# KiCad board SparkFun_NEO-F10N_panelized.kicad_pcb (continued)
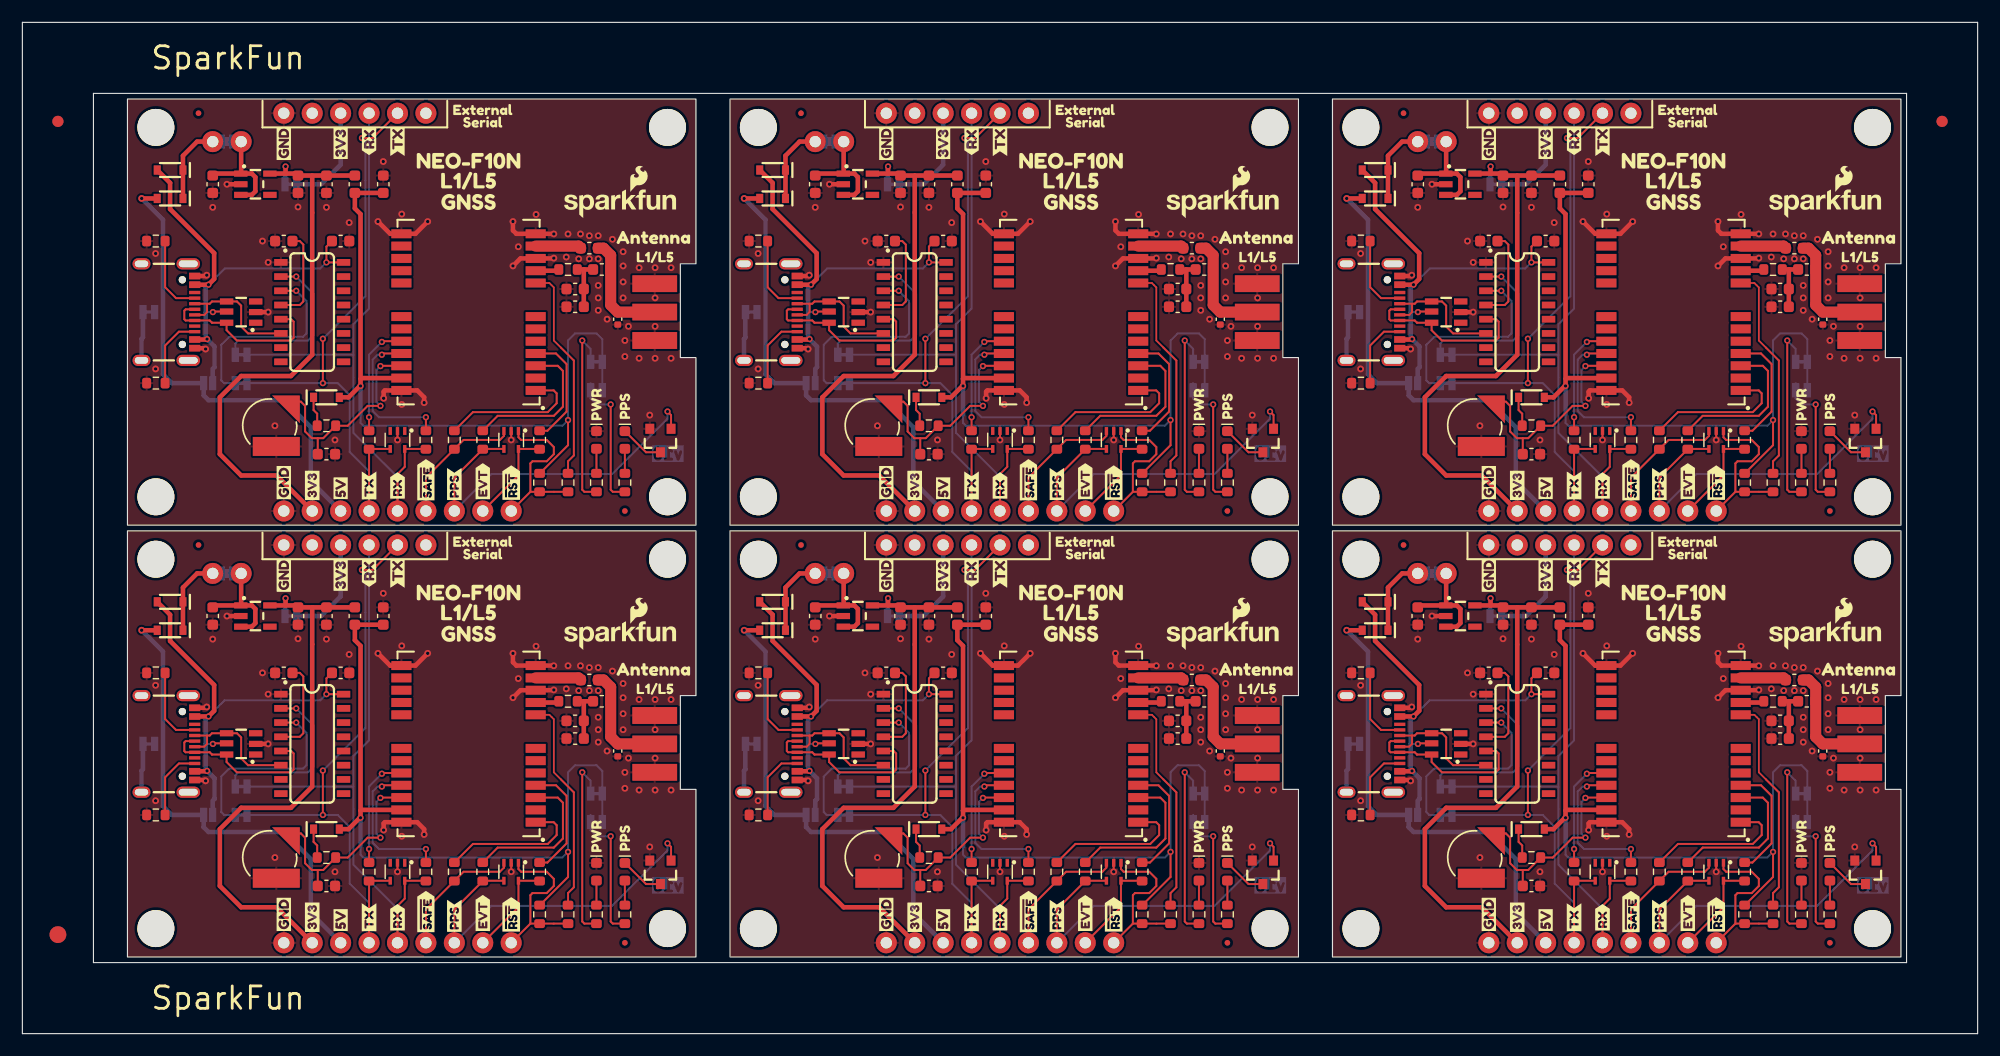
[diagram p0: board, top side]
## Routing (per net, layer and track width the routed paths; a pad name or vN(x,y) marks a point on that pad's centre or on a via; arc(x,y) is an arc through that point) (continued)
VCC: length 57.5
  Top w0.406: U2#3.1 71.02,76.88 C1#5.1 ; U2#3.1 74.34,76.88 74.66,76.56 74.66,75.3 74.34,74.98 U2#3.3 ; U2#3.1 73.39,76.91 JP5#5.2 ; JP5#4.2 127.23,38.31 U2#2.1 ; U2#6.1 20.5,38.28 20.82,37.97 20.82,36.69 20.5,36.38 U2#6.3 ; U2#6.1 19.55,38.31 JP5#6.2 ; U2#6.1 17.18,38.28 C1#6.1 ; U2#2.3 128.18,36.38 128.5,36.69 128.5,37.97 128.18,38.28 U2#2.1 ; C1#4.1 124.86,76.88 U2#5.1 ; U2#5.1 128.18,76.88 128.5,76.56 128.5,75.3 128.18,74.98 U2#5.3 ; U2#5.1 127.23,76.91 JP5#2.2 ; U2#4.1 20.5,76.88 20.82,76.56 20.82,75.3 20.5,74.98 U2#4.3 ; U2#4.1 19.55,76.91 JP5.2 ; U2#4.1 17.18,76.88 C1.1 ; U2#2.1 124.86,38.28 C1#3.1 ; U2.1 71.02,38.28 C1#2.1 ; U2.1 73.39,38.31 JP5#3.2 ; U2.1 74.34,38.28 74.66,37.97 74.66,36.69 74.34,36.38 U2.3
VCC_RF: length 11.7
  Top w0.406: U3.9 101.51,29.6 101.62,29.71 ; 101.62,68.31 101.51,68.2 U3#3.9 ; U3#6.9 47.67,29.6 47.78,29.71 ; U3#4.9 155.35,29.6 155.46,29.71 ; U3#5.9 155.35,68.2 155.46,68.31 ; U3#2.9 47.67,68.2 47.78,68.31
/D+: length 92.8
  Top w0.178: U8#6.5 24.02,25.26 24.24,25.05 24.24,23.61 23.99,23.36 19.17,23.36 18.25,24.28 U1#6.6 16.94,24.95 16.74,25.15 J1.B6 14.58,25.15 14.47,25.26 14.47,26.03 14.59,26.15 J1.A6 ; U8.5 131.7,63.86 131.92,63.65 131.92,62.21 131.67,61.96 126.85,61.96 125.93,62.88 U1#2.6 124.62,63.55 124.42,63.75 J1#6.B6 122.26,63.75 122.15,63.86 122.15,64.63 122.27,64.75 J1#6.A6 ; U8#4.5 77.86,25.26 78.08,25.05 78.08,23.61 77.83,23.36 73.01,23.36 72.09,24.28 U1#3.6 70.78,24.95 70.58,25.15 J1#2.B6 68.42,25.15 68.31,25.26 68.31,26.03 68.43,26.15 J1#2.A6 ; J1#4.A6 122.27,26.15 122.15,26.03 122.15,25.26 122.26,25.15 J1#4.B6 124.42,25.15 124.62,24.95 U1#5.6 125.93,24.28 126.85,23.36 131.67,23.36 131.92,23.61 131.92,25.05 131.7,25.26 U8#3.5 ; U8#2.5 77.86,63.86 78.08,63.65 78.08,62.21 77.83,61.96 73.01,61.96 72.09,62.88 U1#4.6 70.78,63.55 70.58,63.75 J1#3.B6 68.42,63.75 68.31,63.86 68.31,64.63 68.43,64.75 J1#3.A6 ; U8#5.5 24.02,63.86 24.24,63.65 24.24,62.21 23.99,61.96 19.17,61.96 18.25,62.88 U1.6 16.94,63.55 16.74,63.75 J1#5.B6 14.58,63.75 14.47,63.86 14.47,64.63 14.59,64.75 J1#5.A6
/D-: length 72.1
  Top w0.178: J1#6.A7 123.93,64.25 124.18,64.5 124.18,65.25 ; J1#3.B7 70.34,65.25 ; 70.34,65.25 70.58,65.25 70.78,65.45 U1#4.4 73.02,65.45 73.39,65.08 73.39,63.21 74,62.59 U8#2.6 ; 70.34,65.25 70.34,64.5 70.09,64.25 J1#3.A7 ; J1#4.A7 123.93,25.65 124.18,25.9 124.18,26.65 ; J1#2.A7 70.09,25.65 70.34,25.9 70.34,26.65 ; 124.18,65.25 124.42,65.25 124.62,65.45 U1#2.4 126.86,65.45 127.23,65.08 127.23,63.21 127.84,62.59 U8.6 ; 124.18,65.25 J1#6.B7 ; J1#4.B7 124.18,26.65 ; 124.18,26.65 124.42,26.65 124.62,26.85 U1#5.4 126.86,26.85 127.23,26.48 127.23,24.61 127.84,24 U8#3.6 ; U8#4.6 74,24 73.39,24.61 73.39,26.48 73.02,26.85 U1#3.4 70.78,26.85 70.58,26.65 70.34,26.65 ; 70.34,26.65 J1#2.B7 ; U8#5.6 20.16,62.59 19.55,63.21 19.55,65.08 19.18,65.45 U1.4 16.94,65.45 16.74,65.25 16.5,65.25 ; 16.5,65.25 16.5,64.5 16.25,64.25 J1#5.A7 ; 16.5,65.25 J1#5.B7 ; U8#6.6 20.16,24 19.55,24.61 19.55,26.48 19.18,26.85 U1#6.4 16.94,26.85 16.74,26.65 16.5,26.65 ; J1.B7 16.5,26.65 ; 16.5,26.65 16.5,25.9 16.25,25.65 J1.A7
ANT_IN: length 24.6
  Top w0.991: C7#3.2 157.38,31.8 U3#4.11 ; U3#6.11 49.7,31.8 C7#6.2 ; U3#3.11 103.54,70.4 C7#2.2 ; U3#5.11 157.38,70.4 C7#4.2 ; C7#5.2 103.54,31.8 U3.11 ; U3#2.11 49.7,70.4 C7.2
EVENT: length 52.6
  Top w0.178: R31#5.2 153.87,13.67 D3#3.5 152.01,11.31 J2#6.2 ; R31#6.2 46.19,13.67 D3#6.5 44.33,11.31 J2.2 ; J2#3.2 152.01,49.91 D3#5.5 153.87,52.27 153.9,52.25 ; J2#4.2 44.33,49.91 D3#4.5 46.19,52.27 46.22,52.25 ; 100.06,52.25 100.03,52.27 D3.5 98.17,49.91 J2#2.2 ; J2#5.2 98.17,11.31 D3#2.5 100.03,13.67 R31.2
PPS: length 199.5
  Top w0.178: Q1#4.1 111.8,55.3 v2(111.49,55.61) ; D3#4.4 41.16,52.27 38.6,49.7 J2#4.3 ; 57.96,54.07 57.96,55.3 v2(57.65,55.61) ; J2.3 38.6,11.1 R30#6.2 41.16,13.67 D3#6.4 ; v2(57.65,17.01) 57.96,16.69 57.96,15.47 ; v2(165.33,55.61) 165.64,55.3 165.64,54.07 ; D3#3.4 148.84,13.67 R30#5.2 146.28,11.1 J2#6.3 ; v2(111.49,17.01) 111.8,16.69 Q1.1 ; D3.4 95,52.27 92.44,49.7 J2#2.3 ; J2#3.3 146.28,49.7 148.84,52.27 D3#5.4 ; 165.64,15.47 165.64,16.69 v2(165.33,17.01) ; D3#2.4 95,13.67 R30#2.2 92.44,11.1 J2#5.3
  Bottom w0.178: v2(165.33,17.01) 165.33,16.38 160.38,11.42 149.58,11.42 J2#6.3 ; v2(57.65,17.01) 57.65,16.38 52.7,11.42 41.9,11.42 J2.3 ; v2(111.49,17.01) 111.49,16.38 106.54,11.42 95.74,11.42 J2#5.3 ; v2(165.33,55.61) 165.33,54.97 160.38,50.02 149.58,50.02 J2#3.3 ; J2#2.3 95.74,50.02 106.54,50.02 111.49,54.97 v2(111.49,55.61) ; J2#4.3 41.9,50.02 52.7,50.02 57.65,54.97 v2(57.65,55.61)
RXD: length 330
  Top w0.178: J2#4.5 33.52,50.02 34.17,50.67 D2#2.5 36.03,52.27 36.06,52.25 ; J2#5.5 87.36,11.42 88.01,12.07 D2#4.5 89.87,13.67 R16#4.2 ; J2#2.5 87.36,50.02 88.01,50.67 D2#3.5 89.87,52.27 89.9,52.25 ; J2.5 33.52,11.42 34.17,12.07 D2.5 36.03,13.67 R16#6.2 ; 143.74,52.25 143.71,52.27 D2#6.5 141.85,50.67 141.2,50.02 J2#3.5 ; J2#6.5 141.2,11.42 141.85,12.07 D2#5.5 143.71,13.67 R16.2
  Bottom w0.178: 83.42,60.69 83.42,63.42 84.82,64.82 J4#4.3 ; 83.42,60.69 JP1#3.2 ; 83.42,60.69 83.42,53.7 87.36,49.77 J2#2.5 ; J4#6.3 30.98,26.22 29.58,24.82 29.58,22.09 ; J2#3.5 141.2,49.77 137.26,53.7 137.26,60.69 ; J2#4.5 33.52,49.77 29.58,53.7 29.58,60.69 ; JP1.2 137.26,22.09 ; 137.26,22.09 137.26,24.82 138.66,26.22 J4#5.3 ; 137.26,22.09 137.26,15.1 141.2,11.17 J2#6.5 ; 83.42,22.09 83.42,15.1 87.36,11.17 J2#5.5 ; 83.42,22.09 83.42,24.82 84.82,26.22 J4#3.3 ; 83.42,22.09 JP1#4.2 ; 29.58,60.69 29.58,63.42 30.98,64.82 J4#2.3 ; 29.58,60.69 JP1#2.2 ; JP1#5.2 137.26,60.69 ; 137.26,60.69 137.26,63.42 138.66,64.82 J4.3 ; 29.58,22.09 JP1#6.2 ; 29.58,22.09 29.58,15.1 33.52,11.17 J2.5
TXD: length 335
  Top w0.178: v2(138.02,80.06) 138.98,80.06 J4.2 ; J2#2.6 84.82,52.25 84.84,52.27 D2#3.4 ; J2.6 R15.2 31,13.67 D2.4 ; v2(30.34,80.06) 31.3,80.06 J4#2.2 ; D2#4.4 84.84,13.67 R15#6.2 J2#5.6 ; v2(26.85,23.52) v2(26.85,19.55) ; v2(80.69,62.12) v2(80.69,58.15) ; J2#6.6 R15#3.2 138.68,13.67 D2#5.4 ; J4#6.2 31.3,41.46 v2(30.34,41.46) ; v2(84.18,41.46) 85.14,41.46 J4#3.2 ; v2(80.69,23.52) v2(80.69,19.55) ; J2#4.6 30.98,52.25 31,52.27 D2#2.4 ; D2#6.4 138.68,52.27 138.66,52.25 J2#3.6 ; v2(138.02,41.46) 138.98,41.46 J4#5.2 ; v2(84.18,80.06) 85.14,80.06 J4#4.2 ; v2(134.53,23.52) v2(134.53,19.55) ; v2(26.85,62.12) v2(26.85,58.15) ; v2(134.53,62.12) v2(134.53,58.15)
  Bottom w0.178: v2(84.18,80.06) 84.49,79.75 84.49,65.92 v2(80.69,62.12) ; v2(30.34,41.46) 30.65,41.15 30.65,27.32 v2(26.85,23.52) ; JP4.2 82.03,58.15 83.09,57.08 83.09,52 84.82,50.28 J2#2.6 ; v2(138.02,80.06) 138.33,79.75 138.33,65.92 v2(134.53,62.12) ; JP4#4.2 135.87,19.55 136.93,18.48 136.93,13.4 138.66,11.68 J2#6.6 ; v2(138.02,41.46) 138.33,41.15 138.33,27.32 v2(134.53,23.52) ; J2#5.6 84.82,11.68 83.09,13.4 83.09,18.48 82.03,19.55 JP4#2.2 ; v2(26.85,62.12) 30.65,65.92 30.65,79.75 v2(30.34,80.06) ; v2(84.18,41.46) 84.49,41.15 84.49,27.32 v2(80.69,23.52) ; JP4#5.2 135.87,58.15 136.93,57.08 136.93,52 138.66,50.28 J2#3.6 ; J2#4.6 30.98,50.28 29.25,52 29.25,57.08 28.19,58.15 JP4#3.2 ; JP4#6.2 28.19,19.55 29.25,18.48 29.25,13.4 30.98,11.68 J2.6
V_BCKP: length 113.5
  Top w0.178: 80.25,14.63 80.72,14.63 R7#3.2 82.91,15.74 84.69,17.52 v2(85.84,17.52) ; 80.25,14.63 80.23,14.62 C3#4.1 ; 80.25,14.63 79.71,14.63 79.1,15.23 79.1,17.52 78.73,17.89 BT1#2.+ ; C3.1 26.39,53.22 26.41,53.23 ; 134.09,53.23 134.56,53.23 R7.2 136.75,54.34 138.53,56.12 v2(139.68,56.12) ; 134.09,53.23 133.55,53.23 132.94,53.83 132.94,56.12 132.57,56.49 BT1#4.+ ; 134.09,53.23 134.07,53.22 C3#5.1 ; 26.41,53.23 26.88,53.23 R7#2.2 29.07,54.34 30.85,56.12 v2(32,56.12) ; 26.41,53.23 25.87,53.23 25.26,53.83 25.26,56.12 24.89,56.49 BT1#5.+ ; U3#5.22 139.7,59.7 v2(139.68,59.67) ; 134.09,14.63 134.56,14.63 R7#5.2 136.75,15.74 138.53,17.52 v2(139.68,17.52) ; 134.09,14.63 133.55,14.63 132.94,15.23 132.94,17.52 132.57,17.89 BT1.+ ; 134.09,14.63 134.07,14.62 C3#2.1 ; U3.22 85.86,21.1 v2(85.84,21.07) ; U3#3.22 85.86,59.7 v2(85.84,59.67) ; C3#3.1 80.23,53.22 80.25,53.23 ; v2(139.68,21.07) 139.7,21.1 U3#4.22 ; v2(32,59.67) 32.02,59.7 U3#2.22 ; 26.41,14.63 26.39,14.62 C3#6.1 ; 26.41,14.63 26.88,14.63 R7#6.2 29.07,15.74 30.85,17.52 v2(32,17.52) ; 26.41,14.63 25.87,14.63 25.26,15.23 25.26,17.52 24.89,17.89 BT1#6.+ ; v2(32,21.07) 32.02,21.1 U3#6.22 ; 80.25,53.23 79.71,53.23 79.1,53.83 79.1,56.12 78.73,56.49 BT1#3.+ ; 80.25,53.23 80.72,53.23 R7#4.2 82.91,54.34 84.69,56.12 v2(85.84,56.12)
  Bottom w0.178: v2(32,17.52) 31.64,17.87 31.64,20.72 v2(32,21.07) ; v2(85.84,56.12) 85.48,56.47 85.48,59.32 v2(85.84,59.67) ; v2(32,56.12) 31.64,56.47 31.64,59.32 v2(32,59.67) ; v2(139.68,59.67) 139.32,59.32 139.32,56.47 v2(139.68,56.12) ; v2(139.68,17.52) 139.32,17.87 139.32,20.72 v2(139.68,21.07) ; v2(85.84,17.52) 85.48,17.87 85.48,20.72 v2(85.84,21.07)
~{RESET}: length 92.9
  Top w0.178: 153.07,48.44 R12#2.2 R34#3.1 ; 153.07,48.44 153.07,50.97 153.26,51.17 154.53,51.17 155.17,51.8 155.17,52.44 154.53,53.07 152.25,53.07 152.01,53.31 D3#5.1 ; 153.07,48.44 J2#3.1 ; 99.23,9.84 R12#3.2 R34#6.1 ; 99.23,9.84 99.23,12.38 99.42,12.56 100.69,12.56 101.33,13.2 101.33,13.84 100.69,14.47 98.41,14.47 98.17,14.71 D3#2.1 ; 99.23,9.84 J2#5.1 ; 45.39,48.44 R12#6.2 R34#4.1 ; 45.39,48.44 45.39,50.97 45.58,51.17 46.85,51.17 47.49,51.8 47.49,52.44 46.85,53.07 44.57,53.07 44.33,53.31 D3#4.1 ; 45.39,48.44 J2#4.1 ; R34#2.1 R12.2 45.39,9.84 ; D3#3.1 152.01,14.71 152.25,14.47 154.53,14.47 155.17,13.84 155.17,13.2 154.53,12.56 153.26,12.56 153.07,12.38 153.07,9.84 ; D3.1 98.17,53.31 98.41,53.07 100.69,53.07 101.33,52.44 101.33,51.8 100.69,51.17 99.42,51.17 99.23,50.97 99.23,48.44 ; 99.23,48.44 J2#2.1 ; 99.23,48.44 R12#5.2 R34.1 ; J2.1 45.39,9.84 ; 45.39,9.84 45.39,12.38 45.58,12.56 46.85,12.56 47.49,13.2 47.49,13.84 46.85,14.47 44.57,14.47 44.33,14.71 D3#6.1 ; 153.07,9.84 J2#6.1 ; 153.07,9.84 R12#4.2 R34#5.1
~{SAFEBOOT}: length 71.6
  Top w0.178: J2#5.4 89.9,11.1 R29#5.2 93.26,14.47 96.5,14.47 96.87,14.84 D3#2.3 ; J2#2.4 89.9,49.7 93.26,53.07 96.5,53.07 96.87,53.44 D3.3 ; D3#4.3 43.03,53.44 42.66,53.07 39.42,53.07 36.06,49.7 J2#4.4 ; J2.4 36.06,11.1 R29#2.2 39.42,14.47 42.66,14.47 43.03,14.84 D3#6.3 ; J2#3.4 143.74,49.7 147.1,53.07 150.34,53.07 150.71,53.44 D3#5.3 ; D3#3.3 150.71,14.84 150.34,14.47 147.1,14.47 R29#3.2 143.74,11.1 J2#6.4
Net-(C4-Pad1): length 29.5
  Top w0.406: 104.03,29.71 104.01,29.69 C6#3.1 C4#3.1 ; 104.03,29.71 103.27,29.71 ; 104.03,29.71 L1#5.1 ; 50.19,68.31 L1.1 ; 50.19,68.31 50.17,68.29 C6.1 C4#2.1 ; 50.19,68.31 49.43,68.31 ; C4#4.1 C6#4.1 104.01,68.29 104.03,68.31 ; C4#5.1 C6#5.1 157.85,68.29 157.87,68.31 ; 104.03,68.31 L1#4.1 ; 104.03,68.31 103.27,68.31 ; 50.19,29.71 L1#6.1 ; 50.19,29.71 50.17,29.69 C6#6.1 C4#6.1 ; 50.19,29.71 49.43,29.71 ; C4.1 C6#2.1 157.85,29.69 157.87,29.71 ; 157.87,29.71 L1#3.1 ; 157.87,29.71 157.11,29.71 ; 157.11,68.31 157.87,68.31 ; 157.87,68.31 L1#2.1
Net-(D1-A): length 13.2
  Top w0.178: D1#2.2 R4#5.2 ; D1#4.2 R4#6.2 ; D1#5.2 R4#4.2 ; D1.2 51.3,11.49 ; D1#3.2 158.98,11.49 ; D1#6.2 105.14,11.49
Net-(D4-A): length 13.2
  Top w0.178: D4#5.2 161.52,11.49 ; D4#4.2 107.68,11.49 ; D4#6.2 R5#6.2 ; D4#3.2 R5#5.2 ; D4#2.2 R5#3.2 ; D4.2 53.84,11.49
Net-(D4-K): length 23.7
  Top w0.178: D4#2.1 55.73,51.97 Q1#3.3 ; D4#4.1 109.57,13.37 Q1.3 ; Q1#4.3 109.57,51.97 D4#6.1 ; D4#5.1 163.41,13.37 Q1#5.3 ; D4#3.1 163.41,51.97 Q1#2.3 ; Q1#6.3 55.73,13.37 D4.1
Net-(D5-PadC): length 16
  Top w0.178: D5.C 26.02,17.14 26.34,16.82 26.34,15.74 ; D5#4.C 26.02,55.74 26.34,55.42 26.34,54.34 ; R7.1 134.02,55.42 133.7,55.74 D5#5.C ; R7#4.1 80.18,55.42 79.86,55.74 D5#2.C ; R7#5.1 134.02,16.82 133.7,17.14 D5#3.C ; R7#3.1 80.18,16.82 79.86,17.14 D5#6.C
Net-(D6-A2): length 60.2
  Top w0.991: C7#2.1 105.77,70.22 106.41,69.58 106.41,65.14 107.04,64.5 J5.SIG ; C7.1 51.93,70.22 52.57,69.58 52.57,65.14 53.2,64.5 J5#2.SIG ; C7#4.1 159.61,70.22 160.25,69.58 160.25,65.14 160.88,64.5 J5#5.SIG ; C7#6.1 51.93,31.61 52.57,30.98 52.57,26.53 53.2,25.9 J5#6.SIG ; J5#3.SIG 107.04,25.9 106.41,26.53 106.41,30.98 105.77,31.61 C7#5.1 ; C7#3.1 159.61,31.61 160.25,30.98 160.25,26.53 160.88,25.9 J5#4.SIG
Net-(J1-CC1): length 43.1
  Top w0.178: J1#6.A5 121.41,65.75 120.43,66.72 R2#5.1 ; R2#4.1 66.59,28.12 67.57,27.15 J1#2.A5 ; J1#3.A5 67.57,65.75 66.59,66.72 R2#3.1 ; R2#2.1 120.43,28.12 121.41,27.15 J1#4.A5 ; R2#6.1 12.75,66.72 13.73,65.75 J1#5.A5 ; J1.A5 13.73,27.15 12.75,28.12 R2.1
Net-(J1-CC2): length 39.1
  Top w0.178: J1#6.B5 121.67,62.75 120.43,61.52 R1#4.1 ; R1#5.1 66.59,61.52 67.83,62.75 J1#3.B5 ; J1#5.B5 13.99,62.75 12.75,61.52 R1#2.1 ; R1#3.1 120.43,22.91 121.67,24.15 J1#4.B5 ; R1.1 66.59,22.91 67.83,24.15 J1#2.B5 ; R1#6.1 12.75,22.91 13.99,24.15 J1.B5
Net-(J1-SHIELD): length 26.2
  Bottom w0.406: JP7.2 64.61,23.63 64.48,23.5 J1#2.S ; JP7#4.2 118.45,62.23 118.32,62.1 J1#6.S ; J1#3.S 64.48,62.1 64.61,62.23 JP7#5.2 ; JP7#6.2 10.77,23.63 10.64,23.5 J1.S ; J1#5.S 10.64,62.1 10.77,62.23 JP7#3.2 ; JP7#2.2 118.45,23.63 118.32,23.5 J1#4.S
Net-(J4-Pin_4): length 55.5
  Bottom w0.406: J4#6.4 28.44,39.08 26.69,37.33 JP8#6.1 ; J4#3.4 82.28,39.08 80.53,37.33 JP8#2.1 ; JP8#5.1 134.37,37.33 136.12,39.08 J4#5.4 ; JP8#4.1 80.53,75.93 82.28,77.68 J4#4.4 ; J4#2.4 28.44,77.68 26.69,75.93 JP8.1 ; J4.4 136.12,77.68 134.37,75.93 JP8#3.1
Net-(JP1-A): length 93.3
  Top w0.178: 130.78,29.07 v2(132.15,29.07) ; 23.1,29.07 v2(24.47,29.07) ; U8#2.2 v2(78.31,67.67) ; 76.94,29.07 v2(78.31,29.07) ; U8.2 v2(132.15,67.67) ; U8#5.2 v2(24.47,67.67)
  Bottom w0.178: JP1#3.1 72.87,61.69 73.14,61.96 79.36,61.96 79.87,62.47 79.87,66.12 v2(78.31,67.67) ; JP1.1 126.71,23.09 126.98,23.36 133.2,23.36 133.71,23.87 133.71,27.52 v2(132.15,29.07) ; JP1#5.1 126.71,61.69 126.98,61.96 133.2,61.96 133.71,62.47 133.71,66.12 v2(132.15,67.67) ; JP1#6.1 19.03,23.09 19.3,23.36 25.52,23.36 26.03,23.87 26.03,27.52 v2(24.47,29.07) ; JP1#4.1 72.87,23.09 73.14,23.36 79.36,23.36 79.87,23.87 79.87,27.52 v2(78.31,29.07) ; v2(24.47,67.67) 26.03,66.12 26.03,62.47 25.52,61.96 19.3,61.96 19.03,61.69 JP1#2.1
Net-(JP2-A): length 97.6
  Top w0.178: R4#6.1 157.9,48.44 157.71,48.62 v2(157.71,61.96) ; R4#4.1 50.22,48.44 50.03,48.62 v2(50.03,61.96) ; R4#2.1 104.06,9.84 103.87,10.03 v2(103.87,23.36) ; v2(103.87,61.96) 103.87,48.62 104.06,48.44 R4#5.1 ; v2(50.03,23.36) 50.03,10.03 50.22,9.84 R4.1 ; v2(157.71,23.36) 157.71,10.03 157.9,9.84 R4#3.1
  Bottom w0.178: 104.62,60.69 104.62,61.21 v2(103.87,61.96) ; 50.78,60.69 50.78,61.21 v2(50.03,61.96) ; 50.78,22.09 50.78,22.61 v2(50.03,23.36) ; 104.62,22.09 104.62,22.61 v2(103.87,23.36) ; 158.46,60.69 158.46,61.21 v2(157.71,61.96) ; 158.46,22.09 158.46,22.61 v2(157.71,23.36)
Net-(JP3-A): length 74.2
  Top w0.178: R5#4.1 160.44,9.84 160.25,10.03 v2(160.25,17.65) ; v2(106.41,17.65) 106.41,10.03 106.6,9.84 R5#2.1 ; v2(160.25,56.25) 160.25,48.62 160.44,48.44 R5#5.1 ; R5.1 52.76,9.84 52.57,10.03 v2(52.57,17.65) ; v2(52.57,56.25) 52.57,48.62 52.76,48.44 R5#3.1 ; v2(106.41,56.25) 106.41,48.62 106.6,48.44 R5#6.1
  Bottom w0.178: 158.46,19.55 158.46,18.17 158.98,17.65 v2(160.25,17.65) ; 158.46,58.15 158.46,56.77 158.98,56.25 v2(160.25,56.25) ; v2(106.41,17.65) 105.14,17.65 104.62,18.17 104.62,19.55 ; 104.62,58.15 104.62,56.77 105.14,56.25 v2(106.41,56.25) ; 50.78,19.55 50.78,18.17 51.3,17.65 v2(52.57,17.65) ; 50.78,58.15 50.78,56.77 51.3,56.25 v2(52.57,56.25)
Net-(JP4-A): length 108.8
  Top w0.178: v2(24.47,27.81) U8#6.3 ; v2(132.15,27.81) U8#3.3 ; v2(24.47,66.41) U8#5.3 ; v2(78.31,66.41) U8#2.3 ; v2(132.15,66.41) U8.3 ; v2(78.31,27.81) U8#4.3
  Bottom w0.178: v2(132.15,66.41) 133.07,65.48 133.07,62.59 132.77,62.29 126.16,62.29 125.45,61.58 125.45,58.4 125.71,58.15 JP4#5.1 ; v2(24.47,66.41) 25.39,65.48 25.39,62.59 25.09,62.29 18.48,62.29 17.77,61.58 17.77,58.4 18.03,58.15 JP4#3.1 ; v2(24.47,27.81) 25.39,26.88 25.39,24 25.09,23.69 18.48,23.69 17.77,22.98 17.77,19.8 18.03,19.55 JP4#6.1 ; JP4.1 71.87,58.15 71.61,58.4 71.61,61.58 72.32,62.29 78.93,62.29 79.23,62.59 79.23,65.48 v2(78.31,66.41) ; v2(132.15,27.81) 133.07,26.88 133.07,24 132.77,23.69 126.16,23.69 125.45,22.98 125.45,19.8 125.71,19.55 JP4#4.1 ; JP4#2.1 71.87,19.55 71.61,19.8 71.61,22.98 72.32,23.69 78.93,23.69 79.23,24 79.23,26.88 v2(78.31,27.81)
Net-(JP5-A): length 42
  Top w0.406: D8#2.C D7#3.C 68.19,39.88 69.45,41.14 JP5#3.1 ; D8#6.C D7.C 14.35,39.88 15.61,41.14 JP5#6.1 ; D8.C D7#4.C 14.35,78.48 15.61,79.74 JP5.1 ; JP5#4.1 123.29,41.14 122.03,39.88 D7#2.C D8#4.C ; JP5#2.1 123.29,79.74 122.03,78.48 D7#5.C D8#5.C ; JP5#5.1 69.45,79.74 68.19,78.48 D7#6.C D8#3.C
Net-(U3-EXTINT): length 63.1
  Top w0.178: R31.1 100.76,15.29 102.47,17.01 102.47,21.25 101.52,22.2 U3.4 ; R31#2.1 100.76,53.89 102.47,55.61 102.47,59.85 101.52,60.8 U3#3.4 ; U3#4.4 155.36,22.2 156.31,21.25 156.31,17.01 154.6,15.29 R31#5.1 ; R31#4.1 46.92,53.89 48.63,55.61 48.63,59.85 47.68,60.8 U3#2.4 ; R31#3.1 154.6,53.89 156.31,55.61 156.31,59.85 155.36,60.8 U3#5.4 ; R31#6.1 46.92,15.29 48.63,17.01 48.63,21.25 47.68,22.2 U3#6.4
Net-(U3-RXD): length 81.4
  Top w0.178: v2(139.8,22.09) 139.91,22.2 U3#4.21 ; R16#5.1 v2(89.9,55.1) ; R16#3.1 v2(36.06,55.1) ; R16#6.1 v2(36.06,16.5) ; U3#2.21 32.23,60.8 v2(32.12,60.69) ; U3#6.21 32.23,22.2 v2(32.12,22.09) ; U3#5.21 139.91,60.8 v2(139.8,60.69) ; R16#2.1 v2(143.74,55.1) ; U3.21 86.07,22.2 v2(85.96,22.09) ; U3#3.21 86.07,60.8 v2(85.96,60.69) ; R16.1 v2(143.74,16.5) ; R16#4.1 v2(89.9,16.5)
  Bottom w0.178: v2(36.06,55.1) 31.87,55.1 31.31,55.66 31.31,60.26 31.74,60.69 v2(32.12,60.69) ; v2(36.06,16.5) 31.87,16.5 31.31,17.06 31.31,21.66 31.74,22.09 v2(32.12,22.09) ; v2(143.74,55.1) 139.55,55.1 138.99,55.66 138.99,60.26 139.42,60.69 v2(139.8,60.69) ; v2(89.9,16.5) 85.71,16.5 85.15,17.06 85.15,21.66 85.58,22.09 v2(85.96,22.09) ; v2(85.96,60.69) 85.58,60.69 85.15,60.26 85.15,55.66 85.71,55.1 v2(89.9,55.1) ; v2(143.74,16.5) 139.55,16.5 138.99,17.06 138.99,21.66 139.42,22.09 v2(139.8,22.09)
Net-(U3-TIMEPULSE): length 83.2
  Top w0.178: U3#5.3 155.52,59.7 155.98,59.24 155.98,56.04 155.17,55.23 150.15,55.23 R30#4.1 ; R30#5.1 150.15,16.63 155.17,16.63 155.98,17.44 155.98,20.64 155.52,21.1 U3#4.3 ; U3#3.3 101.68,59.7 102.14,59.24 102.14,56.04 101.33,55.23 96.31,55.23 R30#3.1 ; U3#2.3 47.84,59.7 48.3,59.24 48.3,56.04 47.49,55.23 42.47,55.23 R30.1 ; U3.3 101.68,21.1 102.14,20.64 102.14,17.44 101.33,16.63 96.31,16.63 R30#2.1 ; U3#6.3 47.84,21.1 48.3,20.64 48.3,17.44 47.49,16.63 42.47,16.63 R30#6.1
Net-(U3-TXD): length 61.1
  Top w0.178: v2(32.12,23.23) 32.19,23.3 U3#6.20 ; R15.1 v2(30.98,16.5) ; v2(139.8,23.23) 139.87,23.3 U3#4.20 ; v2(32.12,61.83) 32.19,61.9 U3#2.20 ; v2(85.96,61.83) 86.03,61.9 U3#3.20 ; R15#4.1 v2(84.82,55.1) ; v2(139.8,61.83) 139.87,61.9 U3#5.20 ; R15#2.1 v2(138.66,55.1) ; R15#6.1 v2(84.82,16.5) ; R15#5.1 v2(30.98,55.1) ; R15#3.1 v2(138.66,16.5) ; v2(85.96,23.23) 86.03,23.3 U3.20
  Bottom w0.178: v2(30.98,55.1) 30.98,60.69 v2(32.12,61.83) ; v2(138.66,16.5) 138.66,22.09 v2(139.8,23.23) ; v2(85.96,61.83) 84.82,60.69 v2(84.82,55.1) ; v2(138.66,55.1) 138.66,60.69 v2(139.8,61.83) ; v2(32.12,23.23) 30.98,22.09 v2(30.98,16.5) ; v2(85.96,23.23) 84.82,22.09 v2(84.82,16.5)
Net-(U3-~{RESET}): length 116.2
  Top w0.152: 48.12,22.72 47.49,23.36 47.49,28.1 47.09,28.5 U3#6.8 ; U3.8 100.93,28.5 101.33,28.1 101.33,23.36 101.96,22.72 ; U3#4.8 154.77,28.5 155.17,28.1 155.17,23.36 155.8,22.72 ; 48.12,61.33 47.49,61.96 47.49,66.7 47.09,67.1 U3#2.8 ; U3#3.8 100.93,67.1 101.33,66.7 101.33,61.96 101.96,61.33 ; 155.8,61.33 155.17,61.96 155.17,66.7 154.77,67.1 U3#5.8
  Top w0.178: R34#3.2 156.44,51.17 156.96,51.69 156.96,60.17 155.8,61.33 ; R34.2 102.6,51.17 103.12,51.69 103.12,60.17 101.96,61.33 ; 48.76,11.49 48.76,12.56 49.28,13.09 49.28,21.57 48.12,22.72 ; 101.96,22.72 103.12,21.57 103.12,13.09 102.6,12.56 102.6,11.49 ; 155.8,22.72 156.96,21.57 156.96,13.09 156.44,12.56 156.44,11.49 ; 48.12,61.33 49.28,60.17 49.28,51.69 48.76,51.17 R34#4.2
Net-(U3-~{SAFEBOOT}): length 78.2
  Top w0.178: R29.1 40.26,55.56 46.95,55.56 47.74,56.35 47.74,57.24 47.48,57.5 U3#2.1 ; U3#3.1 101.32,57.5 101.58,57.24 101.58,56.35 100.79,55.56 94.1,55.56 R29#4.1 ; R29#3.1 147.94,16.96 154.63,16.96 155.42,17.75 155.42,18.64 155.16,18.9 U3#4.1 ; R29#5.1 94.1,16.96 100.79,16.96 101.58,17.75 101.58,18.64 101.32,18.9 U3.1 ; R29#2.1 40.26,16.96 46.95,16.96 47.74,17.75 47.74,18.64 47.48,18.9 U3#6.1 ; U3#5.1 155.16,57.5 155.42,57.24 155.42,56.35 154.63,55.56 147.94,55.56 R29#6.1

## Copper pours and planes (outline as drawn; the poured copper is in the pictures)
GND on Top, Bottom: 9.39,45.45 9.39,83.55 60.19,83.55 60.19,45.45
GND on Top, Bottom: 63.23,6.85 63.23,44.95 114.03,44.95 114.03,6.85
GND on Top, Bottom: 63.23,45.45 63.23,83.55 114.03,83.55 114.03,45.45
GND on Top, Bottom: 9.39,6.85 9.39,44.95 60.19,44.95 60.19,6.85
GND on Top, Bottom: 117.07,45.45 117.07,83.55 167.87,83.55 167.87,45.45
GND on Top, Bottom: 117.07,6.85 117.07,44.95 167.87,44.95 167.87,6.85

## Text on the board
Bottom: v10
User.Comments: Route Out | V-SCORE | ROUTE OUT
F.Fab: Finish: HASL Lead-Free
F.Silkscreen: SparkFun
User.1: N. Seidle | Solder Mask: Red | Layers: 2 | Material: TG155 | Copper weight: 1oz | Thickness: 1.6mm
